# KiCad board Batch 1.kicad_pcb (continued)
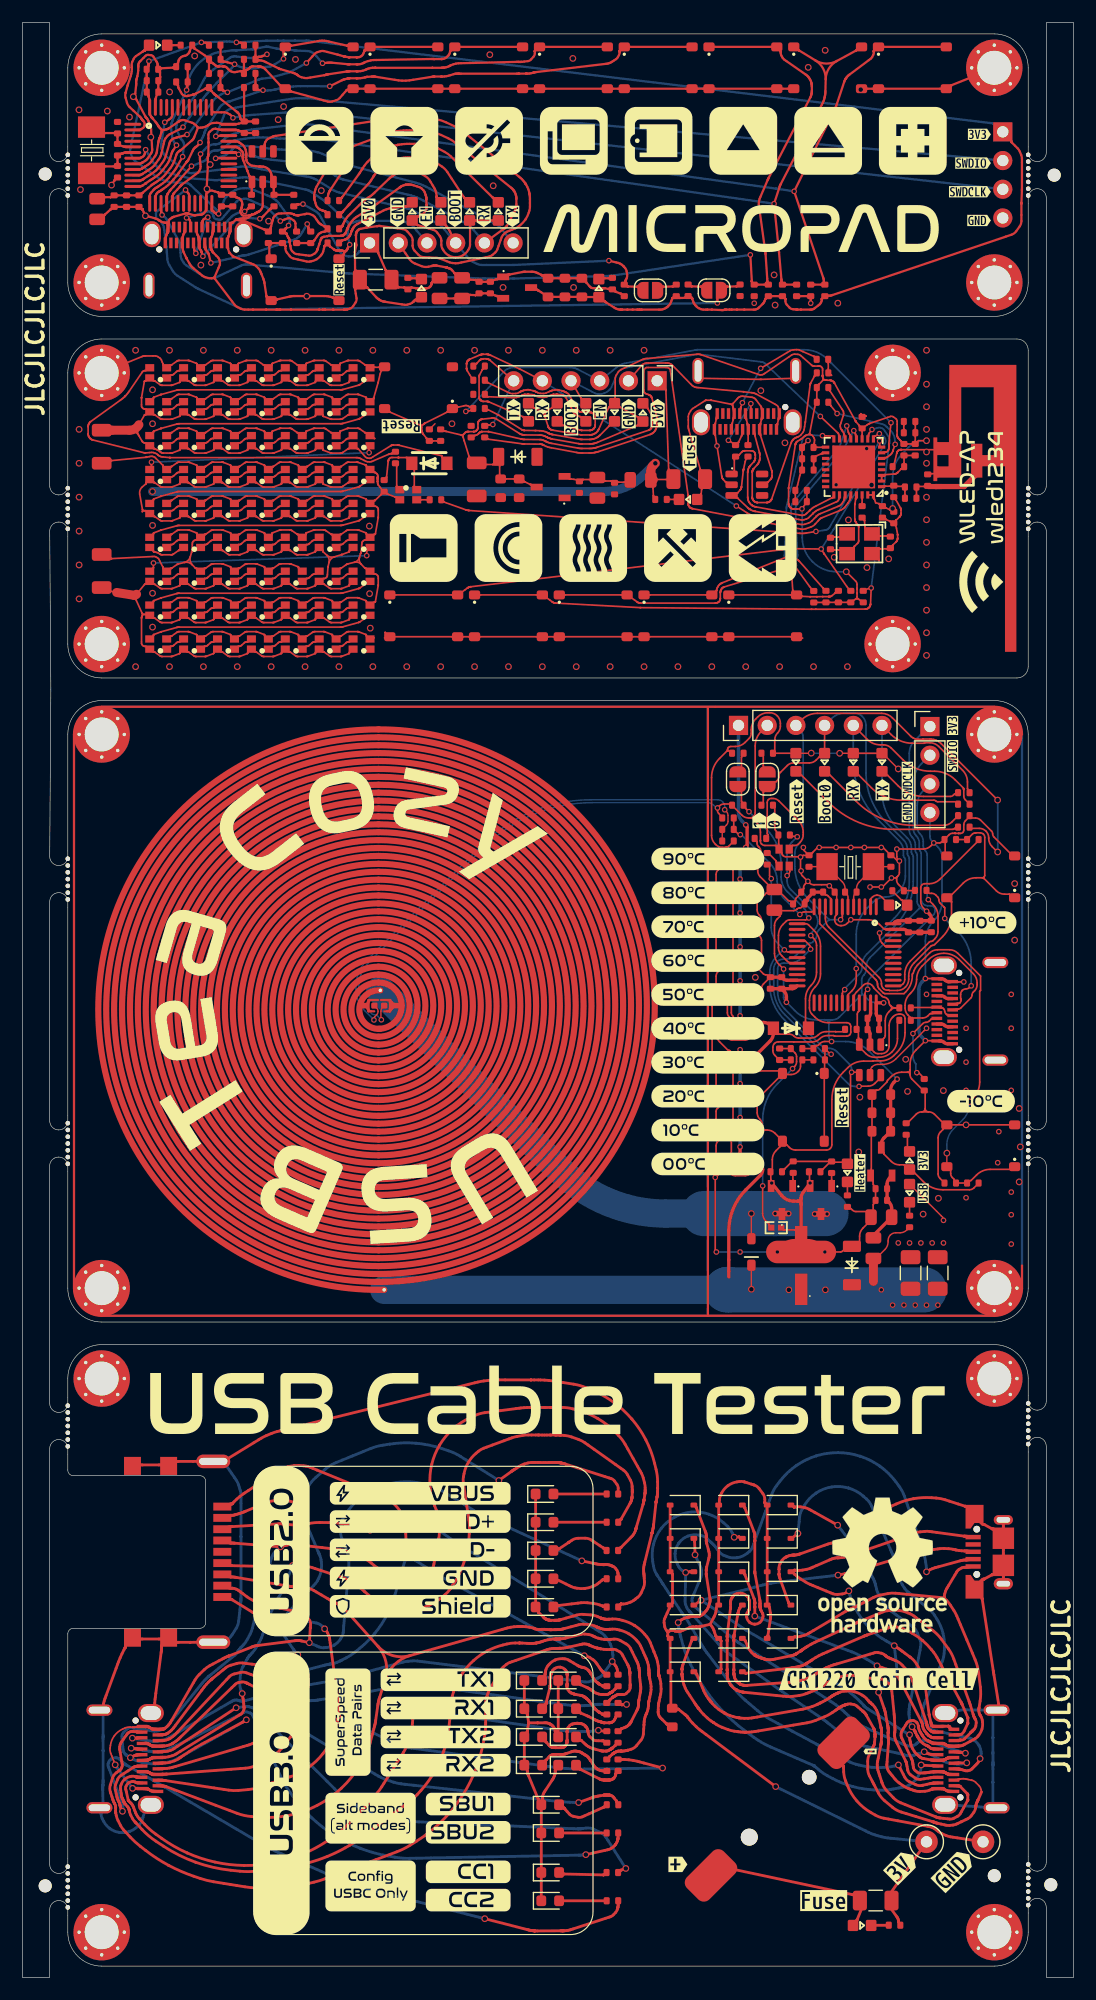
[diagram p0: board, top side]
## Routing (per net, layer and track width the routed paths; a pad name or vN(x,y) marks a point on that pad's centre or on a via; arc(x,y) is an arc through that point) (continued)
Net-(RGB8-DO): length 24.7
  Top w0.15: RGB74.4 63.25,74.78 arc(63.22,74.79) 63.19,74.8 63.13,74.8 arc(63.12,74.8) 63.11,74.81 62.99,74.93 arc(62.97,74.95) 62.97,74.98 62.97,75 arc(62.96,75.01) 62.95,75.03 arc(62.94,75.04) 62.94,75.06 62.94,75.06 arc(62.94,75.08) 62.93,75.09 62.91,75.11 arc(62.88,75.15) 62.88,75.19 62.88,77.12 arc(62.85,77.25) 62.78,77.36 arc(62.7,77.47) 62.68,77.6 62.68,77.88 arc(62.67,77.89) 62.67,77.9 arc(62.66,77.91) 62.66,77.92 62.66,77.94 arc(62.65,77.96) 62.64,77.98 62.55,78.07 arc(62.53,78.1) 62.52,78.13 arc(62.52,78.15) 62.5,78.18 62.49,78.19 arc(62.48,78.2) 62.47,78.2 62.41,78.2 arc(62.38,78.21) 62.35,78.22 RGB72.1 ; RGB17.4 11.55,139.68 arc(11.57,139.7) 11.57,139.74 11.57,139.79 arc(11.58,139.8) 11.58,139.81 11.59,139.83 arc(11.6,139.84) 11.61,139.84 12.23,140.08 arc(12.23,140.08) 12.24,140.08 arc(12.24,140.08) 12.24,140.08 12.25,140.08 arc(12.26,140.09) 12.26,140.09 arc(12.26,140.09) 12.27,140.09 13.63,140.47 13.68,140.48 arc(13.7,140.49) 13.73,140.49 13.78,140.5 arc(13.8,140.5) 13.83,140.5 28.17,140.5 arc(28.2,140.5) 28.22,140.5 28.27,140.51 arc(28.3,140.51) 28.32,140.52 28.37,140.53 29.72,140.91 29.75,140.92 arc(29.76,140.92) 29.78,140.92 29.8,140.94 arc(29.81,140.94) 29.82,140.95 30.3,141.28 arc(30.31,141.29) 30.31,141.29 arc(30.32,141.29) 30.32,141.29 30.33,141.3 arc(30.34,141.3) 30.34,141.3 30.39,141.3 arc(30.42,141.31) 30.45,141.32 RGB47.1
Net-(RGB10-DI): length 6.5
  Top w0.15: RGB74.1 62.35,75.22 arc(62.38,75.21) 62.41,75.2 62.47,75.2 arc(62.48,75.2) 62.49,75.19 62.5,75.18 arc(62.52,75.15) 62.52,75.13 arc(62.53,75.1) 62.55,75.07 62.64,74.98 arc(62.65,74.96) 62.66,74.94 62.66,74.92 arc(62.66,74.91) 62.67,74.9 arc(62.67,74.89) 62.68,74.88 62.68,74.5 arc(62.68,74.47) 62.7,74.44 arc(62.72,74.41) 62.72,74.38 62.72,72.42 arc(62.77,72.18) 62.91,71.98 63.06,71.82 arc(63.09,71.81) 63.12,71.8 63.19,71.8 arc(63.22,71.79) 63.25,71.78 RGB75.4 ; RGB17.1 13.05,138.78 arc(13.08,138.79) 13.11,138.8 13.18,138.8 arc(13.21,138.8) 13.24,138.81 13.29,138.83 arc(13.32,138.84) 13.34,138.86 13.66,139.14 arc(13.68,139.16) 13.71,139.17 13.76,139.19 arc(13.79,139.2) 13.82,139.2 13.89,139.2 arc(13.92,139.21) 13.95,139.22 RGB31.4
Net-(RGB10-DO): length 1.8
  Top w0.15: RGB31.1 16.05,138.78 arc(16.08,138.79) 16.11,138.8 16.18,138.8 arc(16.21,138.8) 16.24,138.81 16.29,138.83 arc(16.32,138.84) 16.34,138.86 16.66,139.14 arc(16.68,139.16) 16.71,139.17 16.76,139.19 arc(16.79,139.2) 16.82,139.2 16.89,139.2 arc(16.92,139.21) 16.95,139.22 RGB16.4
Net-(RGB11-DI): length 1.2
  Top w0.15: 66.2,99.3 66.68,98.81 arc(66.7,98.79) 66.7,98.77 66.7,98.71 arc(66.71,98.68) 66.72,98.65 RGB66.4
Net-(RGB11-DO): length 11.8
  Top w0.15: RGB16.1 19.05,138.78 arc(19.08,138.79) 19.11,138.8 19.18,138.8 arc(19.21,138.8) 19.24,138.81 19.29,138.83 arc(19.32,138.84) 19.34,138.86 19.66,139.14 arc(19.68,139.16) 19.71,139.17 19.76,139.19 arc(19.79,139.2) 19.82,139.2 19.89,139.2 arc(19.92,139.21) 19.95,139.22 RGB21.4 ; 65.97,101.12 65.97,101.12 arc(65.97,101.13) 65.97,101.14 65.94,101.17 arc(65.91,101.21) 65.9,101.25 65.9,103.98 arc(65.93,104.11) 66,104.23 arc(66.12,104.31) 66.26,104.34 66.41,104.34 arc(66.69,104.28) 66.93,104.12 68.65,102.4 arc(68.97,101.92) 69.09,101.35 69.09,101.12 arc(69.01,100.76) 68.81,100.45 68.66,100.3 arc(68.52,100.21) 68.35,100.18 68.14,100.18 arc(68.1,100.17) 68.08,100.15 RGB66.1
Net-(RGB11-VDD): length 20.3
  Top w0.15: v2(67.66,97.51) 67.81,97.66 arc(67.88,97.76) 67.9,97.89 arc(67.9,98.02) 67.88,98.16 RGB66.2 ; U7.1 69.31,84.49 arc(69.29,84.53) 69.29,84.56 69.29,86.6 arc(69.42,87.24) 69.78,87.78 arc(70.14,88.33) 70.27,88.96 70.27,91.34 arc(70.2,91.67) 70.01,91.95 v2(69.76,92.2) ; 68.18,100.99 68.48,100.99 arc(68.51,100.98) 68.54,100.97 v2(68.56,100.95)
  Bottom w0.15: v2(68.56,100.95) 68.11,100.5 arc(67.78,100) 67.66,99.41 v2(67.66,97.51) 67.66,97.06 arc(67.74,96.64) 67.98,96.28 70.07,94.19 arc(70.3,93.85) 70.38,93.45 arc(70.3,93.04) 70.07,92.7 69.83,92.46 arc(69.78,92.38) 69.76,92.3 v2(69.76,92.2)
Net-(RGB12-DO): length 1.8
  Top w0.15: RGB21.1 22.05,138.78 arc(22.08,138.79) 22.11,138.8 22.18,138.8 arc(22.21,138.8) 22.24,138.81 22.29,138.83 arc(22.32,138.84) 22.34,138.86 22.66,139.14 arc(22.68,139.16) 22.71,139.17 22.76,139.19 arc(22.79,139.2) 22.82,139.2 22.89,139.2 arc(22.92,139.21) 22.95,139.22 RGB25.4
Net-(RGB13-DO): length 1.8
  Top w0.15: RGB25.1 25.05,138.78 arc(25.08,138.79) 25.11,138.8 25.18,138.8 arc(25.21,138.8) 25.24,138.81 25.29,138.83 arc(25.32,138.84) 25.34,138.86 25.66,139.14 arc(25.68,139.16) 25.71,139.17 25.76,139.19 arc(25.79,139.2) 25.82,139.2 25.89,139.2 arc(25.92,139.21) 25.95,139.22 RGB48.4
Net-(RGB14-DO): length 1.8
  Top w0.15: RGB48.1 28.05,138.78 arc(28.08,138.79) 28.11,138.8 28.18,138.8 arc(28.21,138.8) 28.24,138.81 28.29,138.83 arc(28.32,138.84) 28.34,138.86 28.66,139.14 arc(28.68,139.16) 28.71,139.17 28.76,139.19 arc(28.79,139.2) 28.82,139.2 28.89,139.2 arc(28.92,139.21) 28.95,139.22 RGB42.4
Net-(RGB15-DO): length 20.1
  Top w0.15: RGB42.1 30.45,138.32 arc(30.42,138.31) 30.39,138.3 30.34,138.3 arc(30.34,138.3) 30.33,138.3 30.32,138.29 arc(30.32,138.29) 30.31,138.29 arc(30.31,138.29) 30.3,138.28 29.82,137.95 arc(29.81,137.94) 29.8,137.94 29.78,137.92 arc(29.76,137.92) 29.75,137.92 29.72,137.91 28.37,137.53 28.32,137.52 arc(28.3,137.51) 28.27,137.51 28.22,137.5 arc(28.2,137.5) 28.17,137.5 13.83,137.5 arc(13.8,137.5) 13.78,137.5 13.73,137.49 arc(13.7,137.49) 13.68,137.48 13.63,137.47 12.27,137.09 arc(12.26,137.09) 12.26,137.09 arc(12.26,137.09) 12.25,137.08 12.24,137.08 arc(12.24,137.08) 12.24,137.08 arc(12.23,137.08) 12.23,137.08 11.61,136.84 arc(11.6,136.84) 11.59,136.83 11.58,136.81 arc(11.58,136.8) 11.57,136.79 11.57,136.74 arc(11.57,136.7) 11.55,136.68 RGB30.4
Net-(RGB16-DO): length 1.8
  Top w0.15: RGB30.1 13.05,135.78 arc(13.08,135.79) 13.11,135.8 13.18,135.8 arc(13.21,135.8) 13.24,135.81 13.29,135.83 arc(13.32,135.84) 13.34,135.86 13.66,136.14 arc(13.68,136.16) 13.71,136.17 13.76,136.19 arc(13.79,136.2) 13.82,136.2 13.89,136.2 arc(13.92,136.21) 13.95,136.22 RGB8.4
Net-(RGB17-DO): length 1.8
  Top w0.15: RGB19.4 16.95,136.22 arc(16.92,136.21) 16.89,136.2 16.82,136.2 arc(16.79,136.2) 16.76,136.19 16.71,136.17 arc(16.68,136.16) 16.66,136.14 16.34,135.86 arc(16.32,135.84) 16.29,135.83 16.24,135.81 arc(16.21,135.8) 16.18,135.8 16.11,135.8 arc(16.08,135.79) 16.05,135.78 RGB8.1
Net-(RGB18-DO): length 1.8
  Top w0.15: RGB19.1 19.05,135.78 arc(19.08,135.79) 19.11,135.8 19.18,135.8 arc(19.21,135.8) 19.24,135.81 19.29,135.83 arc(19.32,135.84) 19.34,135.86 19.66,136.14 arc(19.68,136.16) 19.71,136.17 19.76,136.19 arc(19.79,136.2) 19.82,136.2 19.89,136.2 arc(19.92,136.21) 19.95,136.22 RGB3.4
Net-(RGB19-DO): length 1.8
  Top w0.15: RGB3.1 22.05,135.78 arc(22.08,135.79) 22.11,135.8 22.18,135.8 arc(22.21,135.8) 22.24,135.81 22.29,135.83 arc(22.32,135.84) 22.34,135.86 22.66,136.14 arc(22.68,136.16) 22.71,136.17 22.76,136.19 arc(22.79,136.2) 22.82,136.2 22.89,136.2 arc(22.92,136.21) 22.95,136.22 RGB13.4
Net-(RGB20-DO): length 1.8
  Top w0.15: RGB41.4 25.95,136.22 arc(25.92,136.21) 25.89,136.2 25.82,136.2 arc(25.79,136.2) 25.76,136.19 25.71,136.17 arc(25.68,136.16) 25.66,136.14 25.34,135.86 arc(25.32,135.84) 25.29,135.83 25.24,135.81 arc(25.21,135.8) 25.18,135.8 25.11,135.8 arc(25.08,135.79) 25.05,135.78 RGB13.1
Net-(RGB21-DO): length 1.8
  Top w0.15: RGB41.1 28.05,135.78 arc(28.08,135.79) 28.11,135.8 28.18,135.8 arc(28.21,135.8) 28.24,135.81 28.29,135.83 arc(28.32,135.84) 28.34,135.86 28.66,136.14 arc(28.68,136.16) 28.71,136.17 28.76,136.19 arc(28.79,136.2) 28.82,136.2 28.89,136.2 arc(28.92,136.21) 28.95,136.22 RGB45.4
Net-(RGB22-DO): length 20.6
  Top w0.15: v2(30.67,134.94) 30.67,135.26 arc(30.67,135.3) 30.68,135.34 RGB45.1 ; RGB26.4 11.39,133.67 arc(11.4,133.7) 11.41,133.74 v2(11.41,134.1)
  Bottom w0.15: v2(11.41,134.1) v2(30.67,134.94)
Net-(RGB23-DO): length 1.8
  Top w0.15: RGB20.4 13.95,133.22 arc(13.92,133.21) 13.89,133.2 13.82,133.2 arc(13.79,133.2) 13.76,133.19 13.71,133.17 arc(13.68,133.16) 13.66,133.14 13.34,132.86 arc(13.32,132.84) 13.29,132.83 13.24,132.81 arc(13.21,132.8) 13.18,132.8 13.11,132.8 arc(13.08,132.79) 13.05,132.78 RGB26.1
Net-(RGB24-DO): length 1.8
  Top w0.15: RGB20.1 16.05,132.78 arc(16.08,132.79) 16.11,132.8 16.18,132.8 arc(16.21,132.8) 16.24,132.81 16.29,132.83 arc(16.32,132.84) 16.34,132.86 16.66,133.14 arc(16.68,133.16) 16.71,133.17 16.76,133.19 arc(16.79,133.2) 16.82,133.2 16.89,133.2 arc(16.92,133.21) 16.95,133.22 RGB5.4
Net-(RGB25-DO): length 1.8
  Top w0.15: RGB12.4 19.95,133.22 arc(19.92,133.21) 19.89,133.2 19.82,133.2 arc(19.79,133.2) 19.76,133.19 19.71,133.17 arc(19.68,133.16) 19.66,133.14 19.34,132.86 arc(19.32,132.84) 19.29,132.83 19.24,132.81 arc(19.21,132.8) 19.18,132.8 19.11,132.8 arc(19.08,132.79) 19.05,132.78 RGB5.1
Net-(RGB26-DO): length 1.8
  Top w0.15: RGB32.4 22.95,133.22 arc(22.92,133.21) 22.89,133.2 22.82,133.2 arc(22.79,133.2) 22.76,133.19 22.71,133.17 arc(22.68,133.16) 22.66,133.14 22.34,132.86 arc(22.32,132.84) 22.29,132.83 22.24,132.81 arc(22.21,132.8) 22.18,132.8 22.11,132.8 arc(22.08,132.79) 22.05,132.78 RGB12.1
Net-(RGB27-DO): length 1.8
  Top w0.15: RGB36.4 25.95,133.22 arc(25.92,133.21) 25.89,133.2 25.82,133.2 arc(25.79,133.2) 25.76,133.19 25.71,133.17 arc(25.68,133.16) 25.66,133.14 25.34,132.86 arc(25.32,132.84) 25.29,132.83 25.24,132.81 arc(25.21,132.8) 25.18,132.8 25.11,132.8 arc(25.08,132.79) 25.05,132.78 RGB32.1
Net-(RGB28-DO): length 1.8
  Top w0.15: RGB36.1 28.05,132.78 arc(28.08,132.79) 28.11,132.8 28.18,132.8 arc(28.21,132.8) 28.24,132.81 28.29,132.83 arc(28.32,132.84) 28.34,132.86 28.66,133.14 arc(28.68,133.16) 28.71,133.17 28.76,133.19 arc(28.79,133.2) 28.82,133.2 28.89,133.2 arc(28.92,133.21) 28.95,133.22 RGB37.4
Net-(RGB29-DO): length 20.1
  Top w0.15: RGB1.4 11.55,130.68 arc(11.57,130.7) 11.57,130.74 11.57,130.79 arc(11.58,130.8) 11.58,130.81 11.59,130.83 arc(11.6,130.84) 11.61,130.84 12.23,131.08 arc(12.23,131.08) 12.24,131.08 arc(12.24,131.08) 12.24,131.08 12.25,131.08 arc(12.26,131.09) 12.26,131.09 arc(12.26,131.09) 12.27,131.09 13.63,131.47 13.68,131.48 arc(13.7,131.49) 13.73,131.49 13.78,131.5 arc(13.8,131.5) 13.83,131.5 28.17,131.5 arc(28.2,131.5) 28.22,131.5 28.27,131.51 arc(28.3,131.51) 28.32,131.52 28.37,131.53 29.72,131.91 29.75,131.92 arc(29.76,131.92) 29.78,131.92 29.8,131.94 arc(29.81,131.94) 29.82,131.95 30.3,132.28 arc(30.31,132.29) 30.31,132.29 arc(30.32,132.29) 30.32,132.29 30.33,132.3 arc(30.34,132.3) 30.34,132.3 30.39,132.3 arc(30.42,132.31) 30.45,132.32 RGB37.1
Net-(RGB30-DO): length 1.8
  Top w0.15: RGB1.1 13.05,129.78 arc(13.08,129.79) 13.11,129.8 13.18,129.8 arc(13.21,129.8) 13.24,129.81 13.29,129.83 arc(13.32,129.84) 13.34,129.86 13.66,130.14 arc(13.68,130.16) 13.71,130.17 13.76,130.19 arc(13.79,130.2) 13.82,130.2 13.89,130.2 arc(13.92,130.21) 13.95,130.22 RGB15.4
Net-(RGB31-DO): length 1.8
  Top w0.15: RGB15.1 16.05,129.78 arc(16.08,129.79) 16.11,129.8 16.18,129.8 arc(16.21,129.8) 16.24,129.81 16.29,129.83 arc(16.32,129.84) 16.34,129.86 16.66,130.14 arc(16.68,130.16) 16.71,130.17 16.76,130.19 arc(16.79,130.2) 16.82,130.2 16.89,130.2 arc(16.92,130.21) 16.95,130.22 RGB22.4
Net-(RGB32-DO): length 1.8
  Top w0.15: RGB22.1 19.05,129.78 arc(19.08,129.79) 19.11,129.8 19.18,129.8 arc(19.21,129.8) 19.24,129.81 19.29,129.83 arc(19.32,129.84) 19.34,129.86 19.66,130.14 arc(19.68,130.16) 19.71,130.17 19.76,130.19 arc(19.79,130.2) 19.82,130.2 19.89,130.2 arc(19.92,130.21) 19.95,130.22 RGB18.4
Net-(RGB33-DO): length 1.8
  Top w0.15: RGB6.4 22.95,130.22 arc(22.92,130.21) 22.89,130.2 22.82,130.2 arc(22.79,130.2) 22.76,130.19 22.71,130.17 arc(22.68,130.16) 22.66,130.14 22.34,129.86 arc(22.32,129.84) 22.29,129.83 22.24,129.81 arc(22.21,129.8) 22.18,129.8 22.11,129.8 arc(22.08,129.79) 22.05,129.78 RGB18.1
Net-(RGB34-DO): length 1.8
  Top w0.15: RGB39.4 25.95,130.22 arc(25.92,130.21) 25.89,130.2 25.82,130.2 arc(25.79,130.2) 25.76,130.19 25.71,130.17 arc(25.68,130.16) 25.66,130.14 25.34,129.86 arc(25.32,129.84) 25.29,129.83 25.24,129.81 arc(25.21,129.8) 25.18,129.8 25.11,129.8 arc(25.08,129.79) 25.05,129.78 RGB6.1
Net-(RGB35-DO): length 1.8
  Top w0.15: RGB39.1 28.05,129.78 arc(28.08,129.79) 28.11,129.8 28.18,129.8 arc(28.21,129.8) 28.24,129.81 28.29,129.83 arc(28.32,129.84) 28.34,129.86 28.66,130.14 arc(28.68,130.16) 28.71,130.17 28.76,130.19 arc(28.79,130.2) 28.82,130.2 28.89,130.2 arc(28.92,130.21) 28.95,130.22 RGB44.4
Net-(RGB36-DO): length 20.1
  Top w0.15: RGB44.1 30.45,129.32 arc(30.42,129.31) 30.39,129.3 30.34,129.3 arc(30.34,129.3) 30.33,129.3 30.32,129.29 arc(30.32,129.29) 30.31,129.29 arc(30.31,129.29) 30.3,129.28 29.82,128.95 arc(29.81,128.94) 29.8,128.94 29.78,128.92 arc(29.76,128.92) 29.75,128.92 29.72,128.91 28.37,128.53 28.32,128.52 arc(28.3,128.51) 28.27,128.51 28.22,128.5 arc(28.2,128.5) 28.17,128.5 13.83,128.5 arc(13.8,128.5) 13.78,128.5 13.73,128.49 arc(13.7,128.49) 13.68,128.48 13.63,128.47 12.27,128.09 arc(12.26,128.09) 12.26,128.09 arc(12.26,128.09) 12.25,128.08 12.24,128.08 arc(12.24,128.08) 12.24,128.08 arc(12.23,128.08) 12.23,128.08 11.61,127.84 arc(11.6,127.84) 11.59,127.83 11.58,127.81 arc(11.58,127.8) 11.57,127.79 11.57,127.74 arc(11.57,127.7) 11.55,127.68 RGB2.4
Net-(RGB37-DO): length 1.8
  Top w0.15: RGB2.1 13.05,126.78 arc(13.08,126.79) 13.11,126.8 13.18,126.8 arc(13.21,126.8) 13.24,126.81 13.29,126.83 arc(13.32,126.84) 13.34,126.86 13.66,127.14 arc(13.68,127.16) 13.71,127.17 13.76,127.19 arc(13.79,127.2) 13.82,127.2 13.89,127.2 arc(13.92,127.21) 13.95,127.22 RGB4.4
Net-(RGB38-DO): length 1.8
  Top w0.15: RGB33.4 16.95,127.22 arc(16.92,127.21) 16.89,127.2 16.82,127.2 arc(16.79,127.2) 16.76,127.19 16.71,127.17 arc(16.68,127.16) 16.66,127.14 16.34,126.86 arc(16.32,126.84) 16.29,126.83 16.24,126.81 arc(16.21,126.8) 16.18,126.8 16.11,126.8 arc(16.08,126.79) 16.05,126.78 RGB4.1
Net-(RGB39-DO): length 1.8
  Top w0.15: RGB28.4 19.95,127.22 arc(19.92,127.21) 19.89,127.2 19.82,127.2 arc(19.79,127.2) 19.76,127.19 19.71,127.17 arc(19.68,127.16) 19.66,127.14 19.34,126.86 arc(19.32,126.84) 19.29,126.83 19.24,126.81 arc(19.21,126.8) 19.18,126.8 19.11,126.8 arc(19.08,126.79) 19.05,126.78 RGB33.1
Net-(RGB40-DO): length 1.8
  Top w0.15: RGB35.4 22.95,127.22 arc(22.92,127.21) 22.89,127.2 22.82,127.2 arc(22.79,127.2) 22.76,127.19 22.71,127.17 arc(22.68,127.16) 22.66,127.14 22.34,126.86 arc(22.32,126.84) 22.29,126.83 22.24,126.81 arc(22.21,126.8) 22.18,126.8 22.11,126.8 arc(22.08,126.79) 22.05,126.78 RGB28.1
Net-(RGB41-DO): length 1.8
  Top w0.15: RGB35.1 25.05,126.78 arc(25.08,126.79) 25.11,126.8 25.18,126.8 arc(25.21,126.8) 25.24,126.81 25.29,126.83 arc(25.32,126.84) 25.34,126.86 25.66,127.14 arc(25.68,127.16) 25.71,127.17 25.76,127.19 arc(25.79,127.2) 25.82,127.2 25.89,127.2 arc(25.92,127.21) 25.95,127.22 RGB40.4
Net-(RGB42-DO): length 1.8
  Top w0.15: RGB50.4 28.95,127.22 arc(28.92,127.21) 28.89,127.2 28.82,127.2 arc(28.79,127.2) 28.76,127.19 28.71,127.17 arc(28.68,127.16) 28.66,127.14 28.34,126.86 arc(28.32,126.84) 28.29,126.83 28.24,126.81 arc(28.21,126.8) 28.18,126.8 28.11,126.8 arc(28.08,126.79) 28.05,126.78 RGB40.1
Net-(RGB43-DO): length 20.6
  Top w0.15: RGB11.4 11.55,124.68 arc(11.57,124.7) 11.57,124.74 11.57,124.78 arc(11.57,124.78) 11.57,124.78 v2(11.58,125.17) ; RGB50.1 30.48,126.32 arc(30.46,126.3) 30.46,126.26 v2(30.46,125.83)
  Bottom w0.15: v2(11.58,125.17) v2(30.46,125.83)
Net-(RGB44-DO): length 1.8
  Top w0.15: RGB23.4 13.95,124.22 arc(13.92,124.21) 13.89,124.2 13.82,124.2 arc(13.79,124.2) 13.76,124.19 13.71,124.17 arc(13.68,124.16) 13.66,124.14 13.34,123.86 arc(13.32,123.84) 13.29,123.83 13.24,123.81 arc(13.21,123.8) 13.18,123.8 13.11,123.8 arc(13.08,123.79) 13.05,123.78 RGB11.1
Net-(RGB45-DO): length 1.8
  Top w0.15: RGB9.4 16.95,124.22 arc(16.92,124.21) 16.89,124.2 16.82,124.2 arc(16.79,124.2) 16.76,124.19 16.71,124.17 arc(16.68,124.16) 16.66,124.14 16.34,123.86 arc(16.32,123.84) 16.29,123.83 16.24,123.81 arc(16.21,123.8) 16.18,123.8 16.11,123.8 arc(16.08,123.79) 16.05,123.78 RGB23.1
Net-(RGB46-DO): length 1.8
  Top w0.15: RGB29.4 19.95,124.22 arc(19.92,124.21) 19.89,124.2 19.82,124.2 arc(19.79,124.2) 19.76,124.19 19.71,124.17 arc(19.68,124.16) 19.66,124.14 19.34,123.86 arc(19.32,123.84) 19.29,123.83 19.24,123.81 arc(19.21,123.8) 19.18,123.8 19.11,123.8 arc(19.08,123.79) 19.05,123.78 RGB9.1
Net-(RGB47-DO): length 1.8
  Top w0.15: RGB24.4 22.95,124.22 arc(22.92,124.21) 22.89,124.2 22.82,124.2 arc(22.79,124.2) 22.76,124.19 22.71,124.17 arc(22.68,124.16) 22.66,124.14 22.34,123.86 arc(22.32,123.84) 22.29,123.83 22.24,123.81 arc(22.21,123.8) 22.18,123.8 22.11,123.8 arc(22.08,123.79) 22.05,123.78 RGB29.1
Net-(RGB48-DO): length 1.8
  Top w0.15: RGB24.1 25.05,123.78 arc(25.08,123.79) 25.11,123.8 25.18,123.8 arc(25.21,123.8) 25.24,123.81 25.29,123.83 arc(25.32,123.84) 25.34,123.86 25.66,124.14 arc(25.68,124.16) 25.71,124.17 25.76,124.19 arc(25.79,124.2) 25.82,124.2 25.89,124.2 arc(25.92,124.21) 25.95,124.22 RGB49.4
Net-(RGB49-DO): length 1.8
  Top w0.15: RGB49.1 28.05,123.78 arc(28.08,123.79) 28.11,123.8 28.18,123.8 arc(28.21,123.8) 28.24,123.81 28.29,123.83 arc(28.32,123.84) 28.34,123.86 28.66,124.14 arc(28.68,124.16) 28.71,124.17 28.76,124.19 arc(28.79,124.2) 28.82,124.2 28.89,124.2 arc(28.92,124.21) 28.95,124.22 RGB43.4
Net-(RGB50-DO): length 20.1
  Top w0.15: RGB43.1 30.45,123.32 arc(30.42,123.31) 30.39,123.3 30.34,123.3 arc(30.34,123.3) 30.33,123.3 30.32,123.29 arc(30.32,123.29) 30.31,123.29 arc(30.31,123.29) 30.3,123.28 29.82,122.95 arc(29.81,122.94) 29.8,122.94 29.78,122.92 arc(29.76,122.92) 29.75,122.92 29.72,122.91 28.37,122.53 28.32,122.52 arc(28.3,122.51) 28.27,122.51 28.22,122.5 arc(28.2,122.5) 28.17,122.5 13.83,122.5 arc(13.8,122.5) 13.78,122.5 13.73,122.49 arc(13.7,122.49) 13.68,122.48 13.63,122.47 12.27,122.09 arc(12.26,122.09) 12.26,122.09 arc(12.26,122.09) 12.25,122.08 12.24,122.08 arc(12.24,122.08) 12.24,122.08 arc(12.23,122.08) 12.23,122.08 11.61,121.84 arc(11.6,121.84) 11.59,121.83 11.58,121.81 arc(11.58,121.8) 11.57,121.79 11.57,121.74 arc(11.57,121.7) 11.55,121.68 RGB57.4
Net-(RGB51-DO): length 1.8
  Top w0.15: RGB52.4 13.95,121.22 arc(13.92,121.21) 13.89,121.2 13.82,121.2 arc(13.79,121.2) 13.76,121.19 13.71,121.17 arc(13.68,121.16) 13.66,121.14 13.34,120.86 arc(13.32,120.84) 13.29,120.83 13.24,120.81 arc(13.21,120.8) 13.18,120.8 13.11,120.8 arc(13.08,120.79) 13.05,120.78 RGB57.1
Net-(RGB52-DO): length 1.8
  Top w0.15: RGB51.4 16.95,121.22 arc(16.92,121.21) 16.89,121.2 16.82,121.2 arc(16.79,121.2) 16.76,121.19 16.71,121.17 arc(16.68,121.16) 16.66,121.14 16.34,120.86 arc(16.32,120.84) 16.29,120.83 16.24,120.81 arc(16.21,120.8) 16.18,120.8 16.11,120.8 arc(16.08,120.79) 16.05,120.78 RGB52.1
Net-(RGB53-DO): length 1.8
  Top w0.15: RGB51.1 19.05,120.78 arc(19.08,120.79) 19.11,120.8 19.18,120.8 arc(19.21,120.8) 19.24,120.81 19.29,120.83 arc(19.32,120.84) 19.34,120.86 19.66,121.14 arc(19.68,121.16) 19.71,121.17 19.76,121.19 arc(19.79,121.2) 19.82,121.2 19.89,121.2 arc(19.92,121.21) 19.95,121.22 RGB55.4
Net-(RGB54-DO): length 1.8
  Top w0.15: RGB53.4 22.95,121.22 arc(22.92,121.21) 22.89,121.2 22.82,121.2 arc(22.79,121.2) 22.76,121.19 22.71,121.17 arc(22.68,121.16) 22.66,121.14 22.34,120.86 arc(22.32,120.84) 22.29,120.83 22.24,120.81 arc(22.21,120.8) 22.18,120.8 22.11,120.8 arc(22.08,120.79) 22.05,120.78 RGB55.1
Net-(RGB55-DO): length 1.8
  Top w0.15: RGB63.4 25.95,121.22 arc(25.92,121.21) 25.89,121.2 25.82,121.2 arc(25.79,121.2) 25.76,121.19 25.71,121.17 arc(25.68,121.16) 25.66,121.14 25.34,120.86 arc(25.32,120.84) 25.29,120.83 25.24,120.81 arc(25.21,120.8) 25.18,120.8 25.11,120.8 arc(25.08,120.79) 25.05,120.78 RGB53.1
Net-(RGB56-DO): length 1.8
  Top w0.15: RGB63.1 28.05,120.78 arc(28.08,120.79) 28.11,120.8 28.18,120.8 arc(28.21,120.8) 28.24,120.81 28.29,120.83 arc(28.32,120.84) 28.34,120.86 28.66,121.14 arc(28.68,121.16) 28.71,121.17 28.76,121.19 arc(28.79,121.2) 28.82,121.2 28.89,121.2 arc(28.92,121.21) 28.95,121.22 RGB62.4
Net-(RGB57-DO): length 20.1
  Top w0.15: RGB62.1 30.45,120.32 arc(30.42,120.31) 30.39,120.3 30.34,120.3 arc(30.34,120.3) 30.33,120.3 30.32,120.29 arc(30.32,120.29) 30.31,120.29 arc(30.31,120.29) 30.3,120.28 29.82,119.95 arc(29.81,119.94) 29.8,119.94 29.78,119.92 arc(29.76,119.92) 29.75,119.92 29.72,119.91 28.37,119.53 28.32,119.52 arc(28.3,119.51) 28.27,119.51 28.22,119.5 arc(28.2,119.5) 28.17,119.5 13.83,119.5 arc(13.8,119.5) 13.78,119.5 13.73,119.49 arc(13.7,119.49) 13.68,119.48 13.63,119.47 12.27,119.09 arc(12.26,119.09) 12.26,119.09 arc(12.26,119.09) 12.25,119.08 12.24,119.08 arc(12.24,119.08) 12.24,119.08 arc(12.23,119.08) 12.23,119.08 11.61,118.84 arc(11.6,118.84) 11.59,118.83 11.58,118.81 arc(11.58,118.8) 11.57,118.79 11.57,118.74 arc(11.57,118.7) 11.55,118.68 RGB58.4
Net-(RGB58-DO): length 1.8
  Top w0.15: RGB56.4 13.95,118.22 arc(13.92,118.21) 13.89,118.2 13.82,118.2 arc(13.79,118.2) 13.76,118.19 13.71,118.17 arc(13.68,118.16) 13.66,118.14 13.34,117.86 arc(13.32,117.84) 13.29,117.83 13.24,117.81 arc(13.21,117.8) 13.18,117.8 13.11,117.8 arc(13.08,117.79) 13.05,117.78 RGB58.1
Net-(RGB59-DO): length 1.8
  Top w0.15: RGB56.1 16.05,117.78 arc(16.08,117.79) 16.11,117.8 16.18,117.8 arc(16.21,117.8) 16.24,117.81 16.29,117.83 arc(16.32,117.84) 16.34,117.86 16.66,118.14 arc(16.68,118.16) 16.71,118.17 16.76,118.19 arc(16.79,118.2) 16.82,118.2 16.89,118.2 arc(16.92,118.21) 16.95,118.22 RGB59.4
Net-(RGB60-DO): length 1.8
  Top w0.15: RGB59.1 19.05,117.78 arc(19.08,117.79) 19.11,117.8 19.18,117.8 arc(19.21,117.8) 19.24,117.81 19.29,117.83 arc(19.32,117.84) 19.34,117.86 19.66,118.14 arc(19.68,118.16) 19.71,118.17 19.76,118.19 arc(19.79,118.2) 19.82,118.2 19.89,118.2 arc(19.92,118.21) 19.95,118.22 RGB54.4
Net-(RGB61-DO): length 1.8
  Top w0.15: RGB54.1 22.05,117.78 arc(22.08,117.79) 22.11,117.8 22.18,117.8 arc(22.21,117.8) 22.24,117.81 22.29,117.83 arc(22.32,117.84) 22.34,117.86 22.66,118.14 arc(22.68,118.16) 22.71,118.17 22.76,118.19 arc(22.79,118.2) 22.82,118.2 22.89,118.2 arc(22.92,118.21) 22.95,118.22 RGB60.4
Net-(RGB62-DO): length 1.8
  Top w0.15: RGB60.1 25.05,117.78 arc(25.08,117.79) 25.11,117.8 25.18,117.8 arc(25.21,117.8) 25.24,117.81 25.29,117.83 arc(25.32,117.84) 25.34,117.86 25.66,118.14 arc(25.68,118.16) 25.71,118.17 25.76,118.19 arc(25.79,118.2) 25.82,118.2 25.89,118.2 arc(25.92,118.21) 25.95,118.22 RGB64.4
Net-(RGB63-DO): length 1.8
  Top w0.15: RGB61.4 28.95,118.22 arc(28.92,118.21) 28.89,118.2 28.82,118.2 arc(28.79,118.2) 28.76,118.19 28.71,118.17 arc(28.68,118.16) 28.66,118.14 28.34,117.86 arc(28.32,117.84) 28.29,117.83 28.24,117.81 arc(28.21,117.8) 28.18,117.8 28.11,117.8 arc(28.08,117.79) 28.05,117.78 RGB64.1
Net-(U1-PD0-OSC_IN): length 10.4
  Top w0.13: U6.5 73.55,95.61 arc(73.58,95.78) 73.68,95.92 arc(73.78,96.06) 73.81,96.23 73.81,96.38 arc(73.87,96.68) 74.04,96.94 75.26,98.16 arc(75.29,98.2) 75.3,98.25 arc(75.31,98.29) 75.35,98.3 76.83,98.3 arc(76.84,98.3) 76.84,98.3 C58.2
  Top w0.2: U1.2 7.15,163.25 arc(7.2,163.23) 7.25,163.23 8.13,163.23 arc(8.18,163.22) 8.23,163.22 8.32,163.2 arc(8.38,163.17) 8.4,163.1 8.4,162.35 arc(8.42,162.27) 8.48,162.22 8.58,162.17 arc(8.72,162.11) 8.86,162.06 9.02,162.01 arc(9.03,162.01) 9.05,162.01 9.08,162 arc(9.1,162) 9.12,162 U2.5
Net-(U1-PD1-OSC_OUT): length 10.6
  Top w0.13: U6.6 73.05,95.61 arc(73.02,95.78) 72.92,95.92 arc(72.82,96.06) 72.79,96.23 72.79,96.38 arc(72.73,96.68) 72.56,96.94 U5.1 69.62,98.3 arc(69.61,98.3) 69.61,98.3 C54.2
  Top w0.2: U2.6 9.11,161.5 arc(9.08,161.5) 9.06,161.49 9.01,161.48 arc(8.99,161.48) 8.96,161.47 8.94,161.46 arc(8.94,161.46) 8.93,161.46 8.91,161.45 arc(8.89,161.44) 8.88,161.44 8.84,161.42 arc(8.82,161.42) 8.8,161.42 8.75,161.41 arc(8.72,161.4) 8.68,161.38 8.48,161.28 arc(8.42,161.23) 8.4,161.15 8.4,160.4 arc(8.38,160.33) 8.32,160.3 8.23,160.28 arc(8.18,160.28) 8.13,160.28 7.25,160.28 arc(7.2,160.27) 7.16,160.25 U1.1
Net-(U3-G): length 0.9
  Top w0.15: U8.1 71.6,70.92
Net-(U3-GPIO2): length 9.5
  Top w0.15: U4.6 76.24,134.48 arc(76.28,134.49) 76.32,134.49 76.38,134.49 arc(76.4,134.49) 76.42,134.5 76.47,134.51 arc(76.49,134.52) 76.51,134.54 76.81,134.76 arc(76.86,134.79) 76.89,134.84 76.96,134.94 arc(76.99,134.99) 77.01,135.04 77.02,135.09 arc(77.03,135.1) 77.03,135.11 arc(77.03,135.11) 77.03,135.12 77.04,135.14 arc(77.04,135.16) 77.05,135.18 v2(77.23,135.68) ; v2(72.09,138.4) 71.52,139.1 arc(71.52,139.1) 71.52,139.1 arc(71.52,139.1) 71.52,139.11 R41.2
  Bottom w0.15: v2(72.09,138.4) 75.96,137.5 76.09,137.47 arc(76.15,137.45) 76.21,137.42 76.32,137.36 arc(76.37,137.32) 76.42,137.28 76.47,137.23 arc(76.47,137.22) 76.48,137.22 76.49,137.21 arc(76.5,137.2) 76.51,137.19 76.85,136.87 arc(76.93,136.78) 77,136.68 77.11,136.46 arc(77.15,136.34) 77.17,136.22 77.2,135.98 v2(77.23,135.68)
